# Allegro board pc053a_toplevel_32.brd (continued)
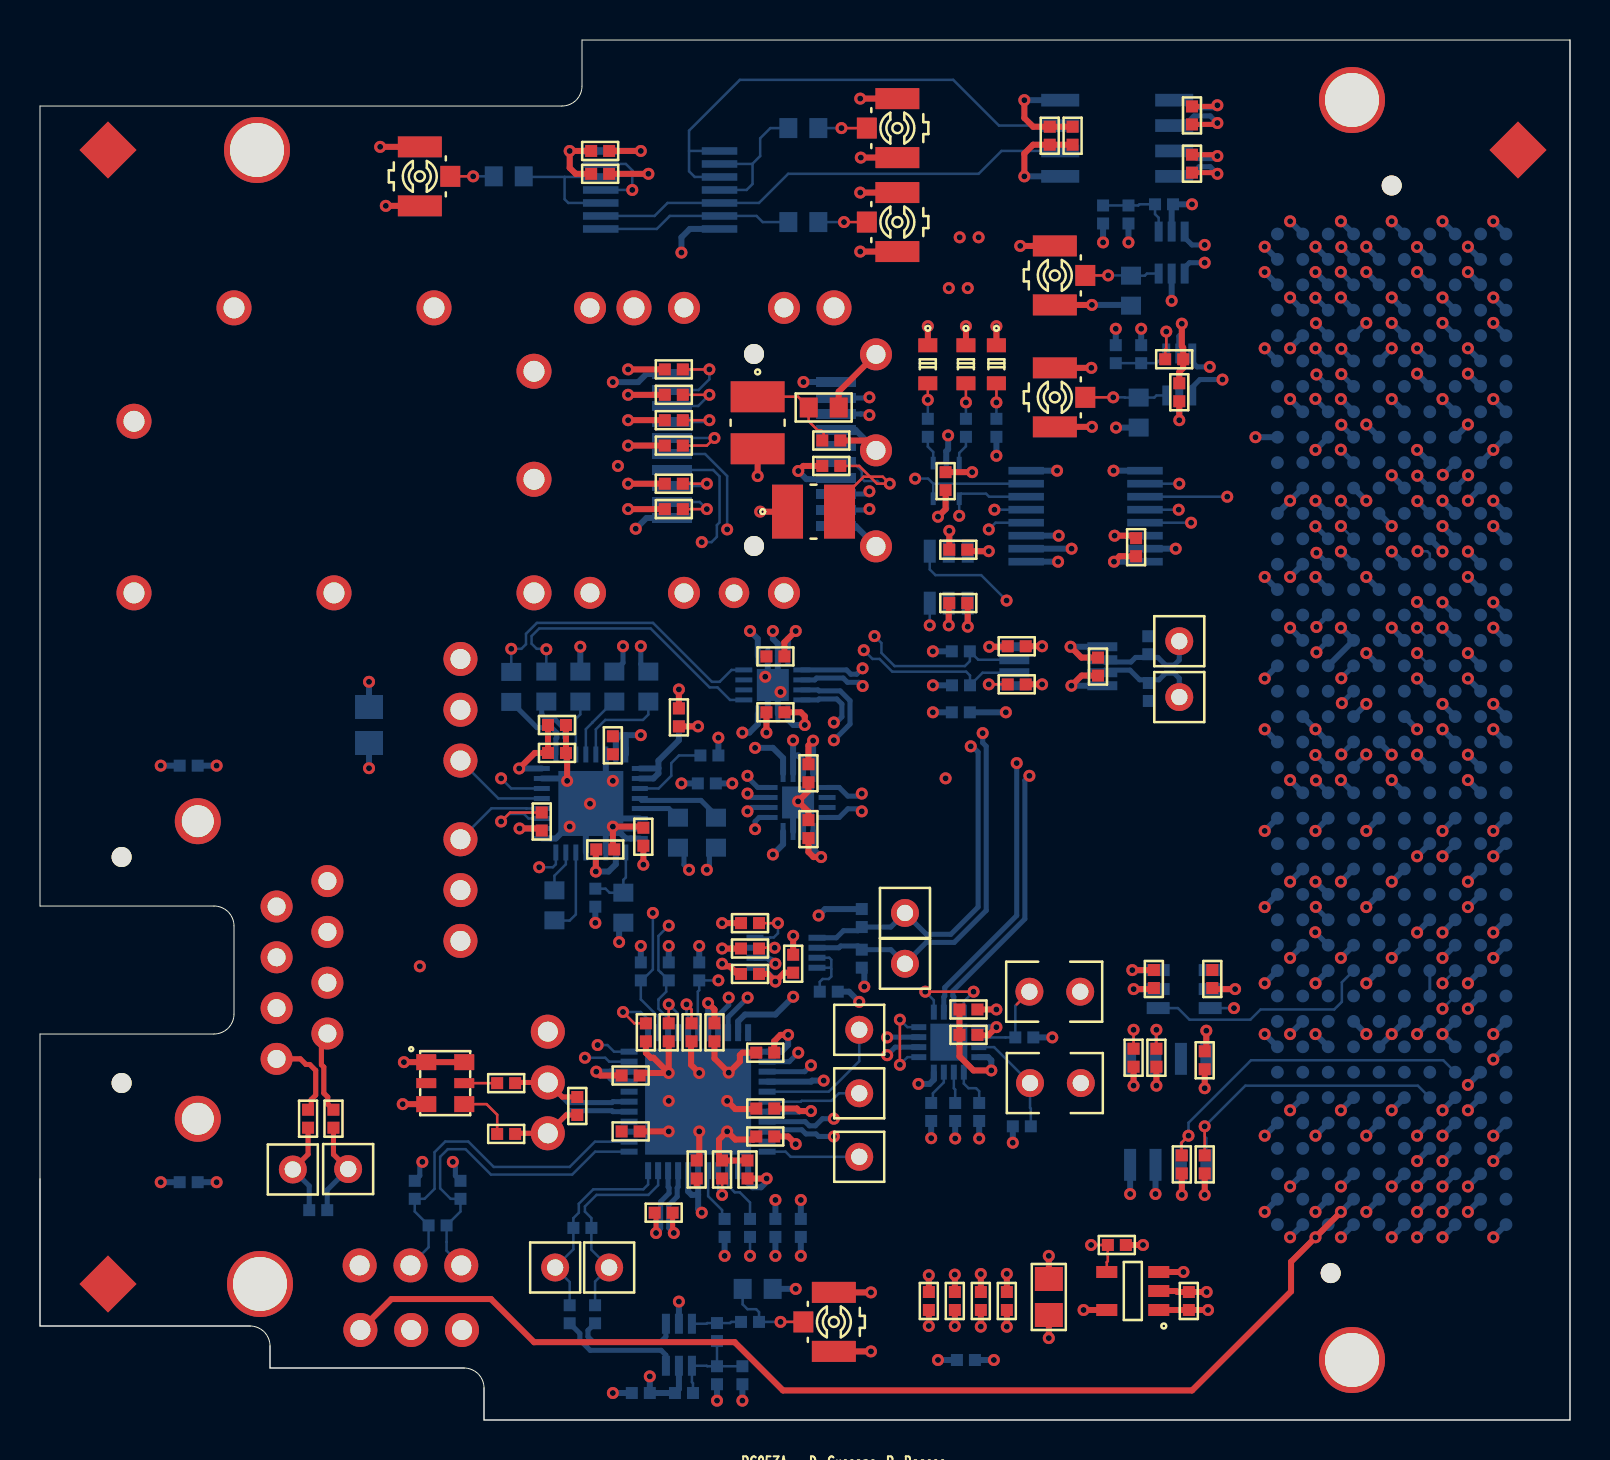
[diagram p0: board, top side]
## Routing (per net, layer and track width the routed paths; a pad name or vN(x,y) marks a point on that pad's centre or on a via; arc(x,y) is an arc through that point) (continued)
P1V8: length 20.6
  TOP w0.3: R40.1 v1(34.1,24.84) ; C12.2 v1(50.44,4.1) ; C14.2 v1(47.04,4.67) ; C117.2 v1(37.66,24.21) ; R41.1 v1(34.1,23.57) ; REG1.5 v1(52.18,5.5) ; C20.2 v1(44.44,4.7) ; C19.2 v1(45.74,4.7) ; C13.2 v1(48.34,4.66)
  BOTTOM w0.3: R14.2 v1(31.44,23.7) ; R13.2 v1(34.23,8.21) ; 32.91,11.26 32.91,10.55 v1(33.09,10.37) ; 32.91,11.26 32.58,11.26 32.41,11.43 32.41,12.47 ; 32.91,11.26 32.91,12.47 ; R15.2 v1(30.04,23.7) ; v1(36.77,22.81) 36.57,23.01 36.48,23.01 36.38,23.11 IC1.2 ; IC4.21 34.91,19.93 35.25,20.27 36.77,20.27 v1(37.66,21.16) ; R16.2 v1(32.96,23.7)
P3V3: length 127.8
  TOP w0.3: v1(47.82,19.64) 47.41,19.23 46.89,19.23 C8.2 ; C66.2 46.39,40.82 v1(46.39,39.67) ; C7.2 v1(47.82,20.53) ; C34.2 v1(32.9,34.68) ; v1(27.79,27.42) 27.79,28.51 C36.2 ; C55.1 v1(36.33,12.07) ; C49.2 33.72,20.53 v1(33.41,20.84) ; C70.2 38.42,33.73 v1(38.65,33.97) ; C31.2 28.01,17.22 v1(27.81,17.42) ; R57.2 24.98,29.58 v1(23.98,29.58) ; L1.2 v1(35.88,47.2) ; C57.2 C58.2 49.66,64.66 49.22,65.1 v1(49.22,65.99) ; C107.2 48.36,38.66 v1(47.46,38.66) ; C32.2 37.84,15.57 37.97,15.45 v1(38.55,15.45) ; REG1.3 v1(57.17,7.4) ; C72.2 38.04,35.38 38.24,35.19 v1(38.24,34.75) ; C71.2 37.22,38.88 v1(37.79,39.45) ; R24.2 v1(29.4,49.99) ; R28.1 v1(29.4,46.81) ; C45.2 37.41,14.18 v1(37.79,13.79) ; v1(57.09,54.82) 57.09,53.68 57.16,53.62 R37.2 57.16,52.6 56.96,52.4 C56.1 ; L2.1 v1(36.01,45.42) ; C15.2 v1(46.61,47.39) ; v1(37.41,19.26) 37.02,19.26 36.71,18.94 C46.2 ; R23.1 v1(29.4,51.26) ; REG1.1 C9.2 v1(58.4,5.5) ; C29.2 v1(30.17,27.77) ; v1(39.06,28.15) 38.68,28.15 38.42,28.4 C69.2 ; C48.2 32.83,11.73 ; QZ1.6 QZ1.1 v1(18.19,17.89) ; v1(23.96,32.58) 24.74,33.35 C37.2 C30.2 ; v1(30.04,63.45) C59.2 ; R25.2 v1(29.4,48.72) ; R29.1 v1(29.4,45.55) ; C60.2 v1(30.42,62.31) ; R22.1 v1(29.4,52.53)
  BOTTOM w0.3: v1(39.18,16.97) 38.61,16.97 38.55,16.92 IC4.26 ; IC12.24 v1(23.96,32.58) ; 30.92,32.59 30.92,32.97 31.94,33.99 C34.2 v1(32.9,34.68) ; 30.92,32.59 30.92,32.33 30.67,32.08 IC12.2 ; 30.92,32.59 30.91,32.58 IC12.1 ; IC9.14 v1(30.04,63.45) ; P1.D38 v1(68.85,11.68) ; IC17.5 35.89,39.06 v1(35.5,39.45) ; 35.41,12.47 35.41,11.86 35.63,11.64 36.05,11.64 36.33,11.92 v1(36.33,12.07) ; 29.28,34.24 29.02,34.24 28.79,34.01 IC12.31 ; 29.28,34.24 29.29,34.23 IC12.32 ; 29.28,34.24 v1(30.04,34.24) ; v1(57.6,60.78) R35.2 56.58,60.72 IC6.5 ; IC17.13 37.39,35.03 37.67,34.75 v1(38.24,34.75) ; IC4.8 28.7,16.92 28.52,17.1 28.52,17.42 ; R4.2 v1(45.76,14.08) ; v1(37.41,19.26) 37.41,18.75 37.07,18.42 IC4.23 ; 28.52,17.42 IC4.9 ; 28.52,17.42 v1(27.81,17.42) ; P1.D40 v1(68.85,9.13) ; P1.D36 v1(68.85,14.21) ; IC3.9 v1(47.82,19.64) ; v1(35.12,34.37) 35.47,34.37 35.89,34.79 IC17.16 ; C35.2 v1(16.45,32.59) ; C5.1 v1(44.9,3) ; IC8.8 v1(49.22,65.99) ; C6.1 v1(44.64,35.38) ; IC4.18 v1(33.41,20.84) ; IC15.8 v1(47.46,38.66) ; IC5.5 31.94,1.54 R32.2 C54.1 v1(30.49,2.18) ; IC13.13 37.15,33.1 36.64,33.61 v1(35.75,33.61) ; IC17.8 37.39,39.05 v1(37.79,39.45) ; C4.1 v1(8.83,32.72) ; R411.1 v1(44.64,38.43) ; C47.2 v1(38.04,11) ; v1(38.55,15.45) 37.97,15.45 37.94,15.42 IC4.29 ; P1.C39 v1(70.12,10.41) ; IC13.8 37.15,28.78 v1(36.64,28.27) ; v1(39.06,28.15) 38.65,28.55 IC13.5 ; IC12.12 v1(27.79,27.42) 28.43,27.42 28.79,27.79 IC12.10 ; C3.1 v1(8.83,11.89) ; C40.2 v1(32.07,31.83) ; IC13.16 v1(38.65,33.97) ; IC7.5 56.96,54.18 57.09,54.31 v1(57.09,54.82) ; IC12.18 v1(23.98,29.58) ; IC14.1 v1(46.39,39.67) ; R140.1 v1(44.64,36.73) ; IC10.1 v1(50.9,42.91) ; C10.2 v1(36.77,11) ; R56.2 v1(47.82,48.21)
P12V: length 5
  INNER4 w0.3: v1(70.12,12.95) 70.93,13.75 70.93,14.68 v1(70.12,15.48)
  BOTTOM w0.3: P1.C37 v1(70.12,12.95) ; P1.C35 v1(70.12,15.48)
VCC: length 1.4
  BOTTOM w0.3: IC11.5 45.31,48.44 45.41,48.53 v1(45.41,49.23)
CDR_LOL: length 43.3
  INNER3 w0.127: v1(45.28,32.08) 40.22,27.02 28.91,27.02 28.64,26.75 25.85,26.75 v1(24.96,27.64)
  INNER4 w0.127: v1(45.28,32.08) 45.28,34.75 46.42,35.89 46.42,38.69 47.25,39.51 47.25,41.04 45.96,42.32 v1(45.96,45.21)
  BOTTOM w0.127: v1(45.96,45.21) IC11.1 45.96,46.23 46.05,46.32 47.3,46.32 47.45,46.16 IC10.6 ; IC12.16 25.79,27.79 25.64,27.64 v1(24.96,27.64)
CDR_LOS: length 42.4
  INNER3 w0.127: v1(28.9,47.7) 34.99,47.7 35.75,48.47 40.2,48.47 41.22,47.45 43.37,47.45 v1(43.76,47.07)
  INNER4 w0.127: v1(28.9,47.7) 27.25,46.05 27.25,44.53 26.1,43.39 26.1,36.53 23.05,33.48 v1(23.05,32.08)
  BOTTOM w0.127: 44.66,46.81 IC10.7 ; 44.66,46.81 IC11.3 ; 44.66,46.81 44.41,47.07 v1(43.76,47.07) ; v1(23.05,32.08) 23.56,31.58 IC12.22
CLK_RST: length 33.4
  INNER3 w0.127: v1(59.7,20.59) 56.21,24.08 39.69,24.08 37.02,21.41 36.26,21.41 35.7,21.98 v1(33.92,21.98)
  BOTTOM w0.127: IC16.3 v1(59.7,20.59) ; IC4.17 32.91,20.02 32.89,20.03 32.89,21.42 32.96,21.49 R16.1 v1(33.92,21.98)
CLK_SCL: length 13.7
  TOP w0.127: v1(36.73,23.61) 35.99,23.61 R41.2
  INNER3 w0.127: v1(36.73,23.61) 36.26,24.08 33.49,24.08 32.86,24.72 v1(31.44,24.72)
  BOTTOM w0.127: v1(31.44,24.72) 30.92,24.2 30.92,22.49 31.05,22.37 31.05,22.37 R14.1 31.31,21.85 31.31,21.41 30.93,21.03 30.93,21 30.92,20.99 30.92,20.57 31.41,20.08 IC4.14 ; IC1.3 v1(36.73,23.61)
CLK_SDA: length 16.2
  TOP w0.127: R40.2 v1(36.9,24.84)
  INNER3 w0.127: v1(30.64,25.35) 31.69,25.35 32.07,24.97 32.96,24.97 33.6,24.34 36.39,24.34 v1(36.9,24.84)
  BOTTOM w0.127: v1(36.9,24.84) 36.9,24.34 36.69,24.13 36.52,24.13 36.5,24.11 IC1.4 ; IC4.13 30.91,20.17 30.04,21.03 R15.1 30.1,21.98 30.64,22.53 v1(30.64,25.35)
CTRLVCC: length 0.9
  BOTTOM w0.3: P1.D32 v1(68.85,19.3)
CVCC: length 85.4
  TOP w0.3: v1(51.53,38.66) 52.07,38.12 C16.2 ; C17.2 34.87,22.3 34.48,22.68 34.23,22.68 v1(34.1,22.81) ; v1(54.61,22.5) 55.69,22.5 C67.2 ; C68.2 46.44,43.44 v1(47.44,43.44) ; C61.2 53.97,43.19 v1(53.7,42.91) ; v1(58.32,19.46) 58.32,18.52 C18.2 ; R103.2 v1(55.82,16.72) ; R1328.2 v1(58.23,11.26) ; R42.2 v1(50.11,36.78) ; v1(65.04,10.41) v1(63.77,9.13) 62.55,7.91 62.55,6.43 57.6,1.48 37.15,1.48 34.74,3.89 24.71,3.89 22.55,6.05 17.57,6.05 J8.3 ; R39.2 v1(54.68,16.72) ; R138.2 v1(57.09,11.26)
  BOTTOM w0.3: R43.2 41.22,22.49 v1(41.22,21.67) ; P1.H40 v1(63.77,9.13) ; R1.2 40.45,21.41 v1(40.96,20.91) ; IC2.8 v1(58.32,19.46) ; IC10.2 v1(51.58,43.56) ; P1.G39 v1(65.04,10.41) ; v1(38.93,25.23) 39.25,25.55 R242.2 ; IC10.16 v1(53.7,42.91) ; IC16.6 v1(54.61,22.5) ; 49.31,44.22 v1(50.93,44.22) ; IC14.6 v1(47.44,43.44) ; IC15.1 v1(51.53,38.66)
F_CDR_CLK_N: length 4
  BOTTOM w0.254: R55.1 24.85,34.62 25.58,34.62 25.84,34.36 25.84,34.11 25.79,34.06 IC12.25
F_CDR_CLK_P: length 3.5
  BOTTOM w0.254: IC12.26 26.29,34.06 26.24,34.11 26.24,34.53 25.75,35.02 25.34,35.02 25.09,35.28 25.09,35.69 R54.1
F_CDR_D_N: length 1.4
  BOTTOM w0.254: v1(29.15,38.69) 29.15,37.86 R53.2
F_CDR_D_P: length 1.4
  BOTTOM w0.254: v1(30.04,38.69) 30.04,37.8 R52.2
F_FMC_CLK_N: length 88.6
  TOP w0.254: v1(30.8,9.35) 30.8,10.3 R18.1
  INNER3 w0.127: v1(46.39,56.59) 46.04,56.94 46.04,57.07 46.84,57.86 55.72,57.86 61.94,51.64 64.41,51.64 v1(65.07,52.29)
  INNER4 w0.127: 31.17,10.86 31.26,10.95 31.26,13.21 32.07,14.03 32.07,18.09 34.25,20.27 37.66,20.27 38.17,20.78 38.17,29.27 39.44,30.54 39.44,32.32 40.71,33.59 40.71,35.03 38.55,37.18 38.55,46.92 38.55,49.75 38.68,49.88 38.68,52.51 43.62,57.45 45.77,57.45 46.04,57.17 46.04,56.94 v1(46.39,56.59)
  INNER4 w0.254: v1(30.8,9.35) 30.8,9.81 31.04,10.06 31.04,10.73 31.17,10.86
  BOTTOM w0.254: P1.G7 v1(65.07,52.29) ; 31.41,12.47 31.41,11.66 31.45,11.61 31.45,11.34 31.03,10.92 31.03,9.58 v1(30.8,9.35)
F_FMC_CLK_P: length 87.7
  TOP w0.254: R18.2 31.63,9.41 v1(31.69,9.35)
  INNER3 w0.127: v1(65.07,53.56) 64.41,52.91 61.03,52.91 55.82,58.12 46.73,58.12 45.79,57.17 45.79,56.94 v1(45.44,56.59)
  INNER4 w0.127: 31.46,10.57 31.51,10.63 31.51,13.11 32.33,13.92 32.33,17.99 34.36,20.02 37.77,20.02 38.42,20.67 38.42,29.16 39.69,30.43 39.69,32.21 40.96,33.48 40.96,35.13 38.8,37.29 38.8,47.03 38.8,49.65 38.93,49.78 38.93,52.4 43.72,57.19 45.66,57.19 45.79,57.07 45.79,56.94 v1(45.44,56.59)
  INNER4 w0.254: v1(31.69,9.35) 31.69,9.81 31.45,10.06 31.45,10.56 31.46,10.57
  BOTTOM w0.254: 31.91,12.47 31.91,11.66 31.86,11.61 31.86,11.17 31.44,10.75 31.44,9.6 v1(31.69,9.35) ; P1.G6 v1(65.07,53.56)
F_GPIO_OUT0_N: length 21.9
  TOP w0.254: v1(58.87,62.31) 58.81,62.37 R45.1
  INNER4 w0.127: v1(58.87,62.31) 59.38,61.8 59.38,52.68 62.95,49.1 64.46,49.1 v1(65.04,48.52)
  BOTTOM w0.254: v1(65.04,48.52) 65.04,48.51 P1.G10 ; v1(58.87,62.31) 58.51,62.66 57.95,62.66 57.47,62.18 IC8.4
F_GPIO_OUT0_P: length 22.3
  TOP w0.254: v1(58.87,63.2) 58.8,63.27 R45.2
  INNER4 w0.127: v1(65.07,49.76) 64.66,49.35 63.06,49.35 59.63,52.78 59.63,61.91 59.38,62.16 59.38,62.69 v1(58.87,63.2)
  BOTTOM w0.254: P1.G9 65.07,49.75 v1(65.07,49.76) ; IC8.3 57.47,63.45 57.85,63.07 58.74,63.07 v1(58.87,63.2)
F_GPIO_OUT1_N: length 22.5
  TOP w0.254: R46.1 58.81,65.68 v1(58.87,65.74)
  INNER4 w0.127: v1(63.77,51.06) 63.19,51.64 61.79,51.64 60.14,53.29 60.14,62.82 58.38,64.58 58.38,65.25 v1(58.87,65.74)
  BOTTOM w0.254: v1(58.87,65.74) 58.74,65.61 57.73,65.61 57.34,65.99 IC8.1 ; P1.H8 63.77,51.05 v1(63.77,51.06)
F_GPIO_OUT1_P: length 20.9
  TOP w0.254: R46.2 58.8,64.78 v1(58.87,64.85)
  INNER4 w0.127: v1(58.87,64.85) 59.88,63.83 59.88,63.43 60.39,62.92 60.39,53.4 61.9,51.9 63.44,51.9 v1(63.82,52.28)
  BOTTOM w0.254: IC8.2 57.22,64.72 57.7,65.2 58.51,65.2 v1(58.87,64.85) ; P1.H7 63.82,52.27 v1(63.82,52.28)
F_MCX_CLK_N: length 6.2
  BOTTOM w0.254: C26.1 26.99,4.33 26.99,4 27.51,3.48 31.06,3.48 31.29,3.24 IC5.6
F_MCX_CLK_P: length 5.6
  BOTTOM w0.254: C23.1 27.4,4.48 27.4,4.17 27.68,3.89 31.02,3.89 31.29,4.17 IC5.1
F_RJ45_CLK_N: length 4.2
  TOP w0.254: J1.2 14.07,19.03 14.07,17.77 14.19,17.65 14.19,16.34 14.39,16.15 14.39,15.79 14.67,15.52 14.67,15.52
F_RJ45_CLK_P: length 4.3
  TOP w0.254: 13.4,15.52 13.56,15.67 13.56,16.02 13.78,16.24 13.78,17.48 13.49,17.78 13.3,17.78 13.02,18.05 J1.1
F_RJ45_D_N: length 66
  INNER3 w0.127: J1.5 10.61,24.36 10.61,27.13 12.39,28.91 17.74,28.91 18.99,27.66 22.78,27.66 23.43,27.01 24.2,26.24 28.43,26.24 28.85,26.24 29.13,26.51 41.36,26.51 48.18,33.34 58.6,33.34 61.54,36.27 64.5,36.27 64.93,35.84 v1(65.09,35.84)
  BOTTOM w0.254: P1.G19 65.08,35.84 v1(65.09,35.84)
F_RJ45_D_P: length 70.6
  INNER3 w0.127: J1.4 13.05,21.86 12.77,22.14 11.28,22.14 10.74,22.68 10.74,23.68 10.35,24.06 10.35,27.24 12.28,29.16 17.85,29.16 19.1,27.91 22.89,27.91 24.3,26.5 28.54,26.5 28.54,26.49 28.75,26.49 29.02,26.77 41.26,26.77 48.08,33.59 58.49,33.59 61.43,36.53 64.51,36.53 v1(65.07,37.09)
  BOTTOM w0.254: v1(65.07,37.09) 65.06,37.09 P1.G18
F_SFP_N: length 28.5
  INNER4 w0.127: v1(41.47,51.13) 40.99,50.65 40.88,50.65 39.56,49.33 39.56,47.34 39.69,47.22 39.69,41.25 40.22,40.72 41.87,40.72 42.49,40.11 42.49,34.22 40.45,32.19 40.45,31.6 40.6,31.45 40.6,30.92 v1(41.09,30.43)
  BOTTOM w0.254: IC13.4 39.96,30.13 40.39,30.56 40.96,30.56 v1(41.09,30.43) ; v1(41.47,51.13) 41.44,51.1 J4.12
F_SFP_P: length 26.8
  INNER4 w0.127: v1(41.09,31.32) 40.71,31.7 40.71,32.08 42.74,34.11 42.74,40.21 41.98,40.97 40.33,40.97 39.95,41.35 39.95,47.32 39.82,47.45 39.82,49.23 40.83,50.24 40.96,50.24
  INNER4 w0.254: 40.96,50.24 v1(41.47,50.24)
  BOTTOM w0.254: J4.13 41.04,50.3 41.41,50.3 v1(41.47,50.24) ; IC13.1 39.96,31.63 40.39,31.19 40.96,31.19 v1(41.09,31.32)
FMC_DI_N: length 0.9
  BOTTOM w0.254: P1.H23 63.8,31.97 v1(63.8,31.98)
FMC_DI_P: length 0.9
  BOTTOM w0.254: v1(63.77,33.25) 63.79,33.25 P1.H22
FMC_GA0: length 18.3
  TOP w0.127: R138.1 57.08,13.24 57.08,13.87 v1(57.42,14.21)
  BOTTOM w0.127: IC2.2 57.05,13.84 v1(57.42,14.21) 57.42,14.86 60.55,17.99 70.16,17.99 P1.C34
FMC_GA1: length 15.8
  TOP w0.127: R1328.1 v1(58.23,14.68)
  BOTTOM w0.127: IC2.1 58.32,14.09 58.23,14.18 v1(58.23,14.68) 60.27,16.72 68.89,16.72 P1.D35
FMC_LA07_N: length 19
  INNER4 w0.127: v1(63.82,43.36) 63.26,43.92 61.61,43.92 59.76,42.07 59.76,39.04 58.13,37.42 57.09,37.42 56.96,37.29 TP2.1
  BOTTOM w0.254: P1.H14 63.84,43.36 v1(63.82,43.36) ; TP2.1 56.96,37.09 56.71,37.34 56.28,37.34 55.95,37.01 55.6,37.01 R142.1 55.28,37.01 54.98,37.01 54.5,37.49 53.25,37.49 IC15.3
FMC_LA07_P: length 18.9
  INNER4 w0.127: v1(63.77,44.68) 63.26,44.17 61.51,44.17 59.5,42.17 59.5,39.15 58.03,37.67 57.09,37.67 56.96,37.8 TP4.1
  BOTTOM w0.254: TP4.1 56.96,38 56.71,37.75 56.28,37.75 55.9,38.13 55.57,38.13 R143.1 55.25,38.13 54.78,38.13 54.55,37.9 53.23,37.9 53.11,38.01 ; P1.H13 63.79,44.68 v1(63.77,44.68)
FMC_LA11_N: length 38.3
  INNER3 w0.127: v1(46.54,33.68) 46.71,33.85 47.34,33.85 47.73,34.24 57.32,34.24 61.89,38.81 62.5,38.81 63.48,38.81 63.82,38.47 v1(63.82,38.38)
  BOTTOM w0.254: v1(46.54,33.68) 46.62,33.68 46.91,33.4 46.91,25.65 45.54,24.29 44.31,24.29 TP1.1 42.54,24.65 R242.1 40.9,24.46 40.17,24.46 39.82,24.11 38.85,24.11 ; v1(63.82,38.38) 64.41,38.97 P1.H17
FMC_LA11_P: length 38.7
  INNER3 w0.127: v1(47.13,34.34) 47.47,34.34 47.62,34.5 57.21,34.5 61.79,39.07 62.61,39.07 63.35,39.07 63.82,39.54 v1(63.82,39.65)
  BOTTOM w0.254: v1(63.82,39.65) 63.82,39.66 P1.H16 ; v1(47.13,34.34) 47.13,33.86 47.31,33.68 47.31,25.48 45.71,23.88 44.31,23.88 TP3.1 42.54,23.52 R43.1 40.9,23.7 40.03,23.7 39.95,23.61 38.85,23.61
FMC_SCL: length 59
  TOP w0.127: v1(55.82,19.51) 55.82,18.56
  INNER3 w0.127: v1(70.12,21.84) 69.58,21.29 61.56,21.29 58.76,18.49 56.1,18.49 55.82,18.77 v1(55.82,19.51) 55.31,20.02 52.79,20.02 51.02,18.24 44.29,18.24 43.02,16.97 42.1,16.97 41.47,17.61 39.95,17.61 37.66,19.89 30.93,19.89 28.26,22.56 22.42,22.56 J5.3
  BOTTOM w0.127: P1.C30 v1(70.12,21.84) ; v1(55.82,19.51) 55.78,19.46 IC2.6
FMC_SDA: length 77.6
  TOP w0.127: 54.68,18.56 v1(54.68,19.51)
  INNER3 w0.127: v1(70.12,20.57) 69.66,21.03 61.66,21.03 58.87,18.24 55.95,18.24 v1(54.68,19.51) 54.19,19.51 53.93,19.76 52.9,19.76 51.12,17.99 44.39,17.99 41.72,15.32 40.33,15.32 39.56,16.08 38.42,16.08 35.25,19.26 29.53,19.26 26.86,21.92 19.75,21.92 v1(18.99,22.68)
  INNER4 w0.127: v1(18.99,22.68) 18.99,36.02 J6.3
  BOTTOM w0.127: IC2.5 54.68,18.23 v1(54.68,19.51) ; P1.C31 v1(70.12,20.57)
FPGA_CDR_LOL: length 11.1
  INNER3 w0.127: v1(59.36,46.16) 59.76,46.56 64.45,46.56 v1(65.04,45.97)
  BOTTOM w0.127: P1.G12 v1(65.04,45.97) ; IC10.11 v1(59.36,46.16)
FPGA_CDR_LOS: length 11.6
  INNER3 w0.127: v1(65.04,44.7) 64.45,45.29 59.12,45.29 57.6,46.81 v1(56.96,46.81)
  BOTTOM w0.127: P1.G13 v1(65.04,44.7) ; v1(56.96,46.81) IC10.10
FPGA_CLK_RST: length 11.6
  BOTTOM w0.127: P1.G30 65.09,21.88 65.09,20.91 64.71,20.53 61.03,20.53 60.52,20.02 57.47,20.02 56.89,20.59 IC16.4
FPGA_SFP_LOS: length 15.7
  INNER3 w0.127: v1(68.88,43.44) 68.28,44.03 59.33,44.03 57.85,45.52 v1(56.93,45.52)
  BOTTOM w0.127: IC10.12 v1(56.93,45.52) ; v1(68.88,43.44) 69.37,43.44 69.49,43.31 P1.D14
FPGA_SFP_TX_DIS: length 27.4
  INNER3 w0.127: v1(48.33,40.97) 67.5,40.97 v1(68.85,39.62)
  BOTTOM w0.127: IC14.4 44.49,42.53 44.77,42.24 47.06,42.24 v1(48.33,40.97) ; P1.D17 v1(68.85,39.62)
FPGA_SFP_TX_FLT: length 19.9
  INNER3 w0.127: v1(57.55,44.87) 59.55,42.87 64.34,42.87 65.73,41.48 69.28,41.48 69.54,41.23 69.54,39.03 v1(68.85,38.34)
  BOTTOM w0.127: P1.D18 v1(68.85,38.34) ; IC10.13 v1(57.55,44.87)
GPIO_IN0_N: length 22.7
  INNER3 w0.127: v1(58.23,58.75) 58.55,58.44 59.5,58.44 60.99,56.94 61.03,56.9 65.8,56.9 67.06,55.64 67.06,53.1 70.93,49.23 70.93,47.71 v1(71.41,47.24)
  BOTTOM w0.254: IC6.6 57.23,59.12 57.6,58.75 v1(58.23,58.75) ; P1.C11 71.41,47.25 v1(71.41,47.24)
GPIO_IN0_P: length 22.2
  INNER3 w0.127: v1(58.23,57.86) 58.55,58.18 59.4,58.18 60.81,56.76 60.93,56.65 65.69,56.65 66.81,55.54 66.81,53 70.68,49.12 70.68,47.77 70.17,47.26 v1(70.14,47.26)
  BOTTOM w0.254: P1.C10 70.14,47.25 v1(70.14,47.26) ; IC6.1 57.23,57.62 57.47,57.86 v1(58.23,57.86)
GPIO_IN1_N: length 17.2
  INNER3 w0.127: v1(58.49,52.66) 58.49,52.2 58.44,52.16 58.32,52.04 58.32,50.05 60.8,47.58 65.75,47.58 66.89,46.43 68.38,46.43 v1(68.87,45.94)
  BOTTOM w0.254: IC7.6 57.61,52.9 57.85,52.66 v1(58.49,52.66) ; v1(68.87,45.94) 68.88,45.94 P1.D12
GPIO_IN1_P: length 17.3
  INNER3 w0.127: v1(59.12,52.02) 58.67,52.02 58.58,51.93 58.58,50.15 60.9,47.83 65.85,47.83 67,46.69 68.34,46.69 v1(68.87,47.21)
  BOTTOM w0.254: v1(68.87,47.21) 68.89,47.2 P1.D11 ; IC7.1 57.61,51.64 57.99,52.02 v1(59.12,52.02)
IN_N: length 4.3
  BOTTOM w0.254: IC12.4 30.09,30.98 33.05,30.98 33.8,30.23 C44.2
IN_P: length 2.1
  BOTTOM w0.254: IC12.5 29.99,30.57 31.44,30.57 C43.2
IN_SEL1: length 2.1
  TOP w0.127: R19.2 v1(34.1,11.26)
  BOTTOM w0.127: v1(34.1,11.26) 33.91,11.45 33.91,12.47
OSC_CLK_N: length 7.9
  TOP w0.254: R7.2 26.12,16.15 J2.2 23.79,16.88 C25.2
  BOTTOM w0.254: IC4.6 28.64,15.92 28.6,15.87 26.4,15.87 J2.2
OSC_CLK_P: length 8
  TOP w0.254: C21.2 23.79,14.34 J2.3 26.3,15.25 R7.1
  BOTTOM w0.254: IC4.5 28.64,15.42 28.6,15.46 26.52,15.46 J2.3
REC_CLK_N: length 41.1
  INNER4 w0.127: 19.63,14.17 19.65,14.19 19.73,14.19 19.96,14.42 20.01,14.46 20.01,19.36 26.61,25.97 26.61,28.91 30.67,32.97 39.08,32.97 39.95,33.84 39.95,34.07 39.93,34.09 39.79,34.09 v1(39.69,33.99)
  INNER4 w0.254: v1(19.12,12.91) 19.27,13.06 19.27,13.81 19.63,14.17
  BOTTOM w0.254: IC17.11 38.9,36.5 38.95,36.46 40.01,36.46 40.5,35.96 40.5,34.8 v1(39.69,33.99) ; v1(19.12,12.91) 18.99,12.78 18.99,12.21 C27.1
REC_CLK_P: length 40.2
  INNER4 w0.127: 19.92,13.89 19.92,13.92 19.92,14.02 20.14,14.23 20.26,14.36 20.26,19.26 26.86,25.86 26.86,28.8 30.78,32.72 39.18,32.72 40.2,33.73 40.2,34.17 39.98,34.4 39.98,34.59 v1(39.69,34.88)
  INNER4 w0.254: 19.92,13.89 19.92,13.63 v1(20.64,12.91)
  BOTTOM w0.254: v1(20.64,12.91) 20.77,12.78 20.77,12.21 C24.1 ; IC17.12 38.9,36 38.95,36.05 39.84,36.05 40.09,35.8 40.09,35.16 39.82,34.88 v1(39.69,34.88)
S_CLK_IN: length 4.5
  TOP w0.127: PX1.1 v1(37.02,4.91)
  BOTTOM w0.127: v1(37.02,4.91) C50.1 35.95,5.4 35.81,5.54 35.37,5.54 35.13,5.78 R27.2
S_GPIO_IN0: length 3.7
  TOP w0.127: PX2.1 v1(53.41,57.23)
  BOTTOM w0.127: v1(53.41,57.23) 54.54,57.23 R30.2 55.24,57.22 55.35,57.32 IC6.3
S_GPIO_IN1: length 4.1
  TOP w0.127: PX3.1 v1(53.66,51.13)
  BOTTOM w0.127: v1(53.66,51.13) 54.23,51.13 54.24,51.12 R31.2 55.72,51.12 55.82,51.23 IC7.3
SFP_LOS: length 21.6
  TOP w0.127: 32.14,51.26 v1(33.47,51.26)
  INNER3 w0.127: v1(47.72,45.52) 47.23,45.52 43.14,49.61 37.28,49.61 35.63,51.26 v1(33.47,51.26)
  BOTTOM w0.127: v1(33.47,51.26) 32.91,50.7 J4.8 ; IC10.5 v1(47.72,45.52)
SFP_SCL: length 52.2
  INNER3 w0.127: v1(34.36,44.53) 34.01,44.18 34.01,43.84 35.23,42.62 38.29,42.62 v1(41.72,39.2)
  INNER4 w0.127: v1(34.36,44.53) 34.01,44.18 34.01,43.93 33.34,43.26 32.07,43.26 28.13,39.32 28.13,35.03 24.05,30.94 22.93,30.94 J5.1
  BOTTOM w0.127: v1(41.72,39.2) 42.07,38.85 42.07,38.35 42.73,37.7 46.25,37.7 46.49,37.94 R411.2 46.91,38.01 48.71,38.01 ; IC12.20 24.32,30.58 24.31,30.58 22.57,30.58 J5.1 ; v1(34.36,44.53) 34.36,47.2 33.25,48.3 J4.5
SFP_SDA: length 51.6
  INNER3 w0.127: v1(41.19,38.49) 41.19,38.98 41.23,39.03 41.23,39.33 38.19,42.37 35.12,42.37 33.6,43.89 v1(33.09,43.89)
  INNER4 w0.127: v1(33.09,43.89) 32.71,43.51 31.97,43.51 27.88,39.43 27.88,35.13 23.94,31.19 22.8,31.19 J6.1
  BOTTOM w0.127: J6.1 22.92,31.08 IC12.21 ; v1(41.19,38.49) 41.63,38.05 41.98,38.05 42.61,37.42 46.31,37.42 46.5,37.22 R140.2 47.13,37.36 IC15.6 ; v1(33.09,43.89) 33.58,43.89 33.84,44.16 33.84,44.74 33.98,44.88 33.98,47.18 33.66,47.5 J4.4
SFP_TX_DISABLE: length 20.7
  TOP w0.127: v1(33.34,46.81) 32.14,46.81
  INNER3 w0.127: v1(44.49,39.73) 42.84,39.73 37.9,44.67 35.49,44.67 34.87,45.29 33.98,45.29 33.6,44.91 32.71,44.91 32.45,45.16 32.45,45.93 v1(33.34,46.81)
  BOTTOM w0.127: v1(33.34,46.81) 33.23,46.7 J4.3 ; IC14.3 v1(44.49,39.73)
SFP_TX_FAULT: length 20.9
  TOP w0.127: 32.14,45.55 v1(33.34,45.55)
  INNER3 w0.127: v1(47.44,44.53) 46.04,45.93 43.63,45.93 42.74,45.04 39.31,45.04 38.17,46.18 33.98,46.18 v1(33.34,45.55)
  BOTTOM w0.127: v1(33.34,45.55) 32.99,45.9 J4.2 ; IC10.4 47.77,44.87 v1(47.44,44.53)
T_CDR_N: length 7.2
  INNER3 w0.127: v1(35.75,29.54) 35.5,29.8 33.98,29.8 32.96,28.78 32.96,27.89 v1(33.34,27.51)
  BOTTOM w0.254: v1(35.75,29.54) 35.75,29.92 35.96,30.13 IC13.9 ; v1(33.34,27.51) 33.47,27.64 33.47,28.29 C44.1
T_CDR_P: length 7.3
  INNER3 w0.127: v1(32.45,27.51) 32.71,27.77 32.71,28.89 33.87,30.05 34.99,30.05 v1(35.37,30.43)
  BOTTOM w0.254: C43.1 32.2,28.32 32.2,27.77 v1(32.45,27.51) ; IC13.10 35.57,30.63 v1(35.37,30.43)
T_FFD_CLK_N: length 12.8
  INNER3 w0.127: v1(42.36,18.24) 40.09,18.24 38.06,20.27 35.28,20.27 v1(34.44,21.12)
  BOTTOM w0.254: IC4.19 33.91,20.22 34.44,20.75 v1(34.44,21.12) ; IC3.2 42.76,18.64 v1(42.36,18.24)
T_FFD_CLK_P: length 12.3
  INNER3 w0.127: v1(35.38,21.12) 35.38,20.68 35.53,20.53 38.17,20.53 40.2,18.49 41.72,18.49 v1(42.36,19.13)
  BOTTOM w0.254: IC4.20 34.41,20.14 v1(35.38,21.12) ; v1(42.36,19.13) 42.55,19.13 42.56,19.14 IC3.3
T_FFD_D_N: length 33.5
  INNER3 w0.127: v1(66.31,33.28) 65.76,33.28 64.99,34.04 62.2,34.04 60.62,32.46 52.39,32.46 52.16,32.7 48.98,32.7 v1(48.84,32.84)
  BOTTOM w0.254: v1(48.84,32.84) 48.84,25.22 45.24,21.62 45.24,21.2 45.19,21.15 IC3.6 ; P1.G22 65.68,32.65 v1(66.31,33.28)
T_FFD_D_P: length 31.2
  INNER3 w0.127: v1(49.47,32.21) 49.71,32.45 52.05,32.45 52.29,32.21 60.73,32.21 62.31,33.79 64.89,33.79 65.07,33.61 v1(65.07,33.28)
  BOTTOM w0.254: v1(65.07,33.28) 65.07,33.29 P1.G21 ; IC3.7 45.69,21.15 45.64,21.2 45.64,21.46 49.24,25.05 49.24,31.98 v1(49.47,32.21)
T_FMC_CLK_N: length 73.9
  INNER4 w0.127: v1(63.8,54.84) 63.8,54.92 64.08,55.2 64.59,55.2 66.11,53.68 66.11,51.15 67,50.27 67,49.23 65.47,47.7 59.61,47.7 58.72,48.59 50.85,48.59 49.32,50.12 42.61,50.12 42.25,49.75 41.06,49.75 40.2,48.9 40.2,42.65 41.62,41.23 42.08,41.23 42.99,40.32 42.99,30.54 41.6,29.14 41.6,23.3 39.69,21.39 39.69,19.56 38.5,18.37 v1(37.91,18.37)
  BOTTOM w0.254: v1(63.8,54.84) 63.84,54.79 P1.H5 ; v1(37.91,18.37) 37.46,17.92 IC4.24
T_FMC_CLK_P: length 75.2
  INNER4 w0.127: v1(38.55,17.73) 38.55,17.79 38.68,17.92 38.68,18.18 39.95,19.45 39.95,21.29 41.85,23.19 41.85,29.04 43.25,30.43 43.25,40.42 42.19,41.48 41.72,41.48 40.45,42.75 40.45,48.79 41.16,49.5 42.35,49.5 42.72,49.86 49.22,49.86 50.74,48.34 58.61,48.34 59.5,47.45 65.58,47.45 67.25,49.12 67.25,50.37 66.36,51.26 66.36,53.78 64.52,55.62 64.28,55.62 v1(63.77,56.11)
  BOTTOM w0.254: P1.H4 63.79,56.11 v1(63.77,56.11) ; v1(38.55,17.73) 38.23,17.42 IC4.25
T_FMC_N: length 1.2
  BOTTOM w0.254: v1(35.37,31.32) 35.57,31.13 IC13.11
T_FMC_P: length 1.4
  BOTTOM w0.254: IC13.12 35.89,31.63 35.37,32.14 v1(35.37,32.21)
T_FMC_REC_CLK_N: length 54.2
  INNER3 w0.127: v1(46.93,59.13) 46.68,59.13 46.51,59.3 46.51,59.73 46.9,60.12 50.9,60.12 51.25,59.77 61.28,59.77 63.16,57.89 64.56,57.89 v1(65.04,57.41)
  INNER4 w0.127: v1(46.93,59.13) 46.55,58.75 46.55,58.24 47.18,57.61 47.18,53.82 45.13,51.77 41.09,51.77 39.69,50.37 39.69,49.82 39.31,49.44 39.31,47.45 39.31,47.24 39.44,47.11 39.44,41.14 39.69,40.89 39.69,37.8 40.2,37.29 40.83,37.29 v1(41.13,37.58)
  BOTTOM w0.254: IC17.9 40.33,37.5 40.54,37.29 40.83,37.29 v1(41.13,37.58) ; P1.G3 65.04,57.4 v1(65.04,57.41)
T_FMC_REC_CLK_P: length 54.8
  INNER3 w0.127: v1(45.99,59.13) 46.26,59.41 46.26,59.84 46.79,60.37 51.01,60.37 51.35,60.02 61.39,60.02 63.27,58.14 64.34,58.14 64.36,58.16 64.58,58.16 v1(65.07,58.65)
  INNER4 w0.127: v1(45.99,59.13) 46.3,58.82 46.3,58.14 46.93,57.5 46.93,53.93 45.03,52.02 40.98,52.02 39.44,50.48 39.44,49.92 39.06,49.54 39.06,47.56 39.06,47.13 39.18,47.01 39.18,41.04 39.44,40.78 39.44,37.69 40.09,37.04 40.8,37.04 v1(41.13,36.7)
  BOTTOM w0.254: P1.G2 65.28,58.43 65.27,58.45 v1(65.07,58.65) ; v1(41.13,36.7) 40.95,36.88 40.37,36.88 40.16,37.1 38.83,37.1 38.73,37 IC17.10
T_MCX_CLK: length 83.3
  INNER4 w0.127: v1(29.61,61.5) 29.61,58.34 31.06,56.9 31.06,50.75 34.99,46.81 34.99,44.36 33.6,42.96 33.6,39.45 27.37,33.23 27.37,31.83 25.72,30.18 25.72,25.99 19.37,19.64 19.37,15.32 18.23,14.18 18.23,11.76 18.99,11 27.37,11 29.79,8.59 32.33,8.59 32.83,9.1 34.61,9.1 v1(35.5,8.21)
  BOTTOM w0.127: R26.2 v1(35.5,8.21) ; IC9.11 v1(29.61,61.5) 29.61,62.48 29.29,62.8 IC9.13
T_RJ45_CLK_N: length 34.1
  INNER3 w0.127: J1.6 15.2,23.57 15.2,22.66 16.58,21.29 27.14,21.29 29.4,19.02 29.4,17.96 30.53,16.84 35.86,16.84 37.89,14.81 38.93,14.81 39.18,15.06 v1(39.69,15.06)
  BOTTOM w0.254: IC4.30 38.26,14.92 38.47,14.71 38.77,14.71 39.12,15.06 v1(39.69,15.06)
T_RJ45_CLK_P: length 35
  INNER3 w0.127: v1(39.69,14.18) 39.31,14.18 38.93,14.56 37.79,14.56 35.75,16.59 30.42,16.59 29.15,17.86 29.15,18.92 27.04,21.03 15.71,21.03 15.45,20.78 12.01,20.78 J1.3
  BOTTOM w0.254: IC4.31 37,14.42 37.09,14.51 38.09,14.51 38.3,14.3 38.8,14.3 38.93,14.18 v1(39.69,14.18)
T_RJ45_D_N: length 57.7
  INNER3 w0.127: J1.8 13.33,26.42 13.16,26.48 13.08,26.63 13.02,26.69 13.02,27.41 13.89,28.27 15.71,28.27 18.89,25.1 23.18,25.1 23.82,25.73 28.22,25.73 28.64,25.73 29.06,25.73 29.32,25.99 41.96,25.99 42.97,27 56.71,27 59,24.72 61.9,24.72 62.15,24.97 63.18,24.97 v1(63.76,24.39)
  BOTTOM w0.254: v1(63.76,24.39) P1.H29
T_RJ45_D_P: length 58.2
  INNER3 w0.127: J1.7 12.87,26.2 12.93,26.37 12.87,26.48 12.77,26.59 12.77,27.51 13.78,28.53 15.82,28.53 18.99,25.35 23.08,25.35 23.71,25.99 28.33,25.99 28.33,25.99 28.54,25.99 28.96,25.99 29.21,26.24 41.85,26.24 42.87,27.26 56.82,27.26 59.1,24.97 61.79,24.97 62.04,25.23 63.31,25.23 63.75,25.66 v1(63.79,25.66)
  BOTTOM w0.254: P1.H28 63.79,25.63 v1(63.79,25.66)
T_SFP_N: length 35.9
  INNER4 w0.127: C2.1 52.01,16.85 52.01,18.83 51.95,18.83 50.61,20.17 50.61,24.97 43.5,32.08 43.5,45.06 42.75,45.81 41.73,45.81 v1(41.47,45.55)
  BOTTOM w0.254: v1(41.47,45.55) 41.42,45.5 J4.19
T_SFP_P: length 36.3
  INNER4 w0.127: v1(41.47,46.43) 41.84,46.06 42.86,46.06 43.76,45.16 43.76,32.19 50.87,25.08 50.87,20.27 52.01,19.13 C1.1
  BOTTOM w0.254: v1(41.47,46.43) 41.34,46.3 J4.18
UNNAMED_2_CON400P40ABCDEFGHJK_I: length 1.3
  BOTTOM w0.15: P1.D30 P1.D31
UNNAMED_2_PCA9306_I276_EN: length 3.5
  BOTTOM w0.127: 39.56,22.56 39.56,23.01 39.46,23.11 38.85,23.11 ; 39.56,22.56 39.56,22.18 39.44,22.05 39.13,22.05 38.99,21.91 R1.1 ; 39.56,22.56 39.51,22.61 38.85,22.61
UNNAMED_2_PCA9517_I162_EN: length 2.3
  TOP w0.127: R42.1 v1(47.44,36.78)
  BOTTOM w0.127: IC15.5 48.65,36.78 v1(47.44,36.78)
UNNAMED_3_CAPACITOR_I303_B: length 5.5
  BOTTOM w0.127: IC3.11 47.7,18.64 C2.2 49.5,15.61 49.54,15.57 R6.2
UNNAMED_3_CAPACITOR_I304_B: length 5.3
  TOP w0.127: C1.2 48.84,20.78
  BOTTOM w0.127: C1.2 48.77,20.71 R5.2 48.28,19.13 48.27,19.13 47.52,19.13 47.51,19.14 IC3.10
UNNAMED_3_NBSG53A_I298_OLS: length 2.1
  BOTTOM w0.127: R3.1 46.96,16.43 46.8,16.59 46.42,16.59 46.19,16.82 IC3.13
UNNAMED_3_NBSG53A_I298_R: length 1.8
  BOTTOM w0.127: IC3.15 45.19,16.88 44.64,16.34 44.64,15.94 R2.2
UNNAMED_3_NBSG53A_I298_SEL: length 1.6
  BOTTOM w0.127: R4.1 45.76,16.52 45.69,16.59 IC3.14
UNNAMED_3_NBSG53A_I298_VTCLK: length 4.5
  TOP w0.127: v1(42.99,17.76) v1(42.99,20.02)
  BOTTOM w0.127: v1(42.99,20.02) 43.37,19.64 IC3.4 ; IC3.1 43.38,18.14 v1(42.99,17.76)
UNNAMED_3_NBSG53A_I298_VTD: length 4.8
  TOP w0.127: v1(44.26,21.41) v1(46.68,21.41)
  BOTTOM w0.127: IC3.5 44.69,20.99 v1(44.26,21.41) ; v1(46.68,21.41) 46.19,20.93 IC3.8
UNNAMED_4_CAPCERSMDCL2_I90_B: length 2.2
  TOP w0.127: v1(52.55,8.75) C11.2 53.39,7.94 53.34,7.89 REG1.4
UNNAMED_4_CAPCERSMDCL2_I113_B: length 10.6
  BOTTOM w0.127: C23.2 27.75,6.92 TP7.1 27.57,8.51 R9.1 27.57,10.09 27.25,10.42 27.25,10.68 27.82,11.26 30.42,11.26 30.91,11.74 30.91,12.47
UNNAMED_4_CAPCERSMDCL2_I114_B: length 10.4
  BOTTOM w0.127: 30.41,12.47 30.41,11.77 30.17,11.53 27.66,11.53 26.94,10.81 26.94,10.37 26.67,10.09 R9.2 26.67,8.54 TP8.1 26.48,6.9 C26.2
UNNAMED_4_CAPCERSMDCL2_I115_B: length 17.3
  BOTTOM w0.127: J3.3 20.33,8.47 20.33,8.9 20.33,8.9 R11.2 21.02,10.42 21.02,11.06 20.53,11.06 20.01,11.58 20.01,13.16 20.39,13.54 21.28,13.54 22.55,12.27 26.61,12.27 27.76,13.42 IC4.1
UNNAMED_4_CAPCERSMDCL2_I116_B: length 18
  BOTTOM w0.127: IC4.2 27.75,13.92 26.48,12.65 22.69,12.65 21.42,13.92 20.26,13.92 19.73,13.39 19.73,11.56 19.23,11.06 18.74,11.06 18.74,10.42 R11.1 19.43,8.64 J3.2
UNNAMED_4_CAPCERSMDCL2_I117_B: length 26.9
  TOP w0.254: C22.2 13.4,13.29 TP5.1
  INNER3 w0.127: TP5.1 13.78,11.38 13.78,10.75 14.16,10.37 16.58,10.37 17.72,11.51 17.72,12.8 23.03,18.11 v1(27.25,18.11)
  BOTTOM w0.127: IC4.10 28.46,17.92 28.26,18.11 v1(27.25,18.11)
  BOTTOM w0.254: TP5.1 13.46,11.71 R8.1
UNNAMED_4_CAPCERSMDCL2_I118_B: length 26.7
  TOP w0.254: TP6.1 14.67,13.28 C28.2
  INNER3 w0.127: v1(27.88,18.75) 27.11,18.75 26.74,18.38 24.01,18.38 24,18.37 22.93,18.37 17.47,12.91 17.47,12.85 17.43,12.82 17.43,11.6 16.45,10.62 14.42,10.62 14.16,10.87 14.16,11.3 TP6.1
  BOTTOM w0.127: IC4.11 28.7,18.42 28.37,18.75 v1(27.88,18.75)
  BOTTOM w0.254: R8.2 14.36,11.5 TP6.1
UNNAMED_4_CAPCERSMDCL2_I119_A: length 2.8
  TOP w0.127: C21.1 22.86,15.26 22.33,15.79 QZ1.4
UNNAMED_4_CAPCERSMDCL2_I120_A: length 1.6
  TOP w0.127: C25.1 QZ1.5
UNNAMED_4_RSMD0402_I16_A: length 3.5
  TOP w0.127: v1(29.15,20.4) 29.72,19.83 R10.1
  BOTTOM w0.127: v1(29.15,20.4) 30.04,20.4 30.41,20.03 IC4.12
UNNAMED_4_RSMD0402_I47_A: length 2.8
  BOTTOM w0.127: R13.1 34.1,10.18 34.1,10.49 33.41,11.19 33.41,12.47
UNNAMED_4_RSMD0402_I49_A: length 2.6
  TOP w0.127: v1(31.44,20.78) R20.1
  BOTTOM w0.127: v1(31.44,20.78) 31.91,20.31 IC4.15
UNNAMED_4_RSMD0402_I50_A: length 2.5
  TOP w0.127: R21.1 32.58,20.53 v1(32.33,20.78)
  BOTTOM w0.127: IC4.16 32.41,20.21 32.33,20.29 v1(32.33,20.78)
UNNAMED_4_RSMD0402_I123_A: length 3
  BOTTOM w0.127: 34.41,12.47 34.41,11.71 34.74,11.38 34.99,11.38 35.5,10.87 R26.1
UNNAMED_4_SI5344_I110_INTR: length 4.7
  BOTTOM w0.127: IC4.33 37.28,13.42 37.53,13.16 TP9.1
UNNAMED_4_SI5344_I110_LOL: length 6.8
  BOTTOM w0.127: TP10.1 40.96,17.94 39.44,16.42 IC4.27
UNNAMED_4_SI5344_I110_LOSXAXB: length 4.8
  BOTTOM w0.127: TP11.1 39.95,16.34 39.57,15.96 38.09,15.96 38.04,15.92 IC4.28
UNNAMED_5_74LCX04_I304_Y: length 6.9
  BOTTOM w0.127: R47.1 24.22,62.15 26.23,62.15 ; 26.23,62.15 IC9.12 ; 26.23,62.15 26.23,61.04 26.42,60.85 IC9.10
UNNAMED_5_74LCX04_I317_A: length 25.8
  BOTTOM w0.127: 32.45,63.45 32.45,62.44 32.74,62.15 IC9.3 ; 32.45,63.45 32.45,64.47 34.99,67.01 45.66,67.01 47.95,64.72 IC8.7 ; 32.45,63.45 IC9.1
UNNAMED_5_74LCX04_I317_Y: length 7.5
  BOTTOM w0.127: R49.1 36.52,64.59 36.01,64.09 36.01,63.2 35.61,62.8 ; IC9.4 35.33,61.5 35.63,61.8 35.63,62.79 35.61,62.8 ; 35.61,62.8 IC9.2
UNNAMED_5_74LCX04_I323_A: length 24.3
  BOTTOM w0.127: IC9.9 30.73,60.2 31.38,60.85 IC9.5 35.95,60.85 37.41,62.31 46.93,62.31 48.07,63.45 IC8.6
UNNAMED_5_74LCX04_I323_Y: length 9.8
  BOTTOM w0.127: R48.1 36.14,59.9 35.83,60.2 IC9.6 31.49,60.2 30.84,59.55 IC9.8
UNNAMED_5_ADCMP604_I256_: length 5.2
  BOTTOM w0.127: R33.2 C51.2 ; C51.2 R44.1 ; C51.2 33.36,2.69 33.34,2.71 IC5.4 32.59,1.89 32.65,1.84 R32.1
UNNAMED_5_ADCMP604_I256__1: length 2.5
  BOTTOM w0.127: C50.2 34.56,4.91 34.5,4.85 R44.2 33.36,4.85 33.32,4.81 IC5.3
UNNAMED_5_ADCMP604_I285_: length 4.1
  BOTTOM w0.127: IC6.4 55.93,60.11 55.75,60.29 R35.1 54.97,60.78 54.91,60.73 C52.2 R36.2
UNNAMED_5_ADCMP604_I294_: length 5.2
  TOP w0.127: v1(56.31,54.42) 56.31,53.58 56.26,53.53 R37.1
  BOTTOM w0.127: R38.2 C53.2 55.83,52.84 IC7.4 v1(56.31,54.42)
UNNAMED_5_PCOAX_I312_A: length 2.2
  TOP w0.127: PX4.1 v1(21.66,62.18)
  BOTTOM w0.127: R47.2 v1(21.66,62.18)
UNNAMED_5_PCOAX_I315_A: length 2.4
  TOP w0.127: v1(40.07,64.59) PX6.1
  BOTTOM w0.127: R49.2 v1(40.07,64.59)
UNNAMED_5_PCOAX_I321_A: length 2.4
  TOP w0.127: PX5.1 v1(40.2,59.9)
  BOTTOM w0.127: R48.2 v1(40.2,59.9)
UNNAMED_11_ADN2814_I23_CF1: length 2.1
  BOTTOM w0.127: C39.1 25.72,27.22 26.29,27.79 IC12.15
UNNAMED_11_ADN2814_I23_CF2: length 4.3
  BOTTOM w0.127: C39.2 25.73,24.97 26.48,24.97 26.79,25.28 IC12.14
UNNAMED_11_ADN2814_I23_DATAOUTN: length 3.3
  BOTTOM w0.127: IC12.28 27.29,34.54 27.63,34.88 27.63,34.88 28.67,35.92 R53.1
UNNAMED_11_ADN2814_I23_DATAOUTP: length 4.8
  BOTTOM w0.127: R52.1 30.42,35.27 30.15,35 28.26,35 27.79,34.53 IC12.29
UNNAMED_11_ADN2814_I23_SADDRS: length 4.5
  TOP w0.127: v1(23.05,29.92) 23.5,30.37 R57.1
  BOTTOM w0.127: IC12.19 24.43,30.08 24.2,30.3 23.44,30.3 v1(23.05,29.92)
UNNAMED_11_ADN2814_I23_SQUELCH: length 2.7
  BOTTOM w0.127: R12.1 27.02,35.28 26.79,35.06 IC12.27
UNNAMED_11_ADN2814_I23_THRADJ: length 3.5
  BOTTOM w0.127: IC12.9 29.29,27.13 29.17,27.01 R34.2 28.48,26.36 28.28,26.57 C42.2
UNNAMED_11_ADN2814_I23_VREF: length 4.1
  BOTTOM w0.127: C38.2 31.94,33.23 31.56,32.84 31.56,32.21 30.93,31.58 IC12.3
UNNAMED_11_CON20PSFP_I175_MODDE: length 3.9
  TOP w0.127: v1(33.72,49.1) 33.34,48.72 32.14,48.72
  BOTTOM w0.127: J4.6 v1(33.72,49.1)
UNNAMED_11_CON20PSFP_I175_RATES: length 3.2
  TOP w0.127: v1(33.47,49.99) 32.14,49.99
  BOTTOM w0.127: J4.7 33.38,49.9 v1(33.47,49.99)
UNNAMED_11_CON20PSFP_I175_VCCR: length 4.9
  TOP w0.127: L1.1 37.9,51.16 C64.2 38.43,49.93 38.89,49.48 39.06,49.48 39.18,49.35 39.18,49.04 C63.2
UNNAMED_11_CON20PSFP_I175_VCCT: length 9.9
  TOP w0.127: C62.2 40.96,47.7 41.85,46.81 v1(42.49,46.81) 42.14,47.16 41.18,47.16 39.98,45.96 L2.2
  BOTTOM w0.127: v1(42.49,46.81) 42,46.81 41.86,46.95 41.22,46.95 41.09,47.08 41.09,47.45 40.64,47.9 J4.16
UNNAMED_11_CON20PSFP_I175_VEER: length 3.9
  TOP w0.127: 32.14,52.53 v1(33.47,52.53)
  BOTTOM w0.127: v1(33.47,52.53) 33.47,52.04 32.93,51.5 J4.9
UNNAMED_11_LED1_I225_A: length 1.8
  TOP w0.127: v1(46.3,50.88) LD1.1
  BOTTOM w0.127: R50.1 v1(46.3,50.88)
UNNAMED_11_LED1_I226_A: length 1.8
  TOP w0.127: LD2.1 v1(44.39,51.01)
  BOTTOM w0.127: R51.1 v1(44.39,51.01)
UNNAMED_11_LED1_I227_A: length 1.8
  TOP w0.127: LD3.1 v1(47.82,50.88)
  BOTTOM w0.127: v1(47.82,50.88) R56.1
UNNAMED_11_RSMD0402_I232_B: length 1.5
  BOTTOM w0.127: R50.2 46.3,48.69 45.96,48.35 IC11.6
UNNAMED_11_RSMD0402_I233_B: length 1.4
  BOTTOM w0.127: R51.2 44.39,48.67 44.66,48.4 IC11.4
UNNAMED_11_RSMD0603_I241_B: length 14.6
  BOTTOM w0.127: IC17.1 34.5,36 33.87,36.63 33.48,36.63 30.53,39.58 24.96,39.58 24.58,39.2 24.58,38.81 24.83,38.56 25.29,38.56 v1(25.32,38.53) R54.2
UNNAMED_11_RSMD0603_I242_B: length 15.1
  BOTTOM w0.127: IC17.4 34.58,37.5 33.98,36.91 33.6,36.91 30.65,39.85 24.84,39.85 24.3,39.31 24.3,38.79 24.07,38.56 v1(23.56,38.56) R55.2

## Copper pours and planes (outline as drawn; the poured copper is in the pictures)
GND on L2GND: 22.84,0.64 22.84,1.6 22.36,2.76 21.2,3.24 12.14,3.24 12.14,3.7 11.66,4.86 10.5,5.34 0.64,5.34 0.64,65.06 26.1,65.06 27.26,65.54 27.74,66.7 27.74,68.36 75.86,68.36 75.86,0.64
P1V8 on L3PWR: 32.58,8.21 32.58,10.37 32.83,10.62 33.98,10.62 34.61,9.98 38.17,9.98 39.18,11 39.18,13.29 39.82,13.92 39.82,16.46 39.69,17.61 37.41,20.02 34.1,23.32 33.34,23.32 33.09,23.07 29.28,23.07 29.15,23.19 29.15,23.83 31.06,25.73 37.15,25.73 38.29,24.59 38.29,21.67 42.74,17.22 42.74,8.46 44.39,6.81 52.39,6.81 53.03,6.17 53.03,4.14 52.52,3.63 37.15,3.63
P3V3 on L3PWR (solid shape): 75.86,0.64 22.84,0.64 22.84,1.6 22.83,1.66 22.83,1.77 22.81,1.89 22.78,2 22.75,2.12 22.71,2.23 22.66,2.33 22.61,2.43 22.54,2.53 22.47,2.63 22.4,2.71 22.31,2.8 22.23,2.87 22.13,2.94 22.03,3.01 21.93,3.06 21.83,3.11 21.72,3.15 21.6,3.18 21.49,3.21 21.37,3.23 21.26,3.23 21.2,3.24 12.14,3.24 12.14,3.7 12.13,3.76 12.13,3.87 12.11,3.99 12.08,4.1 12.05,4.22 12.01,4.33 11.96,4.43 11.91,4.53 11.84,4.63 11.77,4.73 11.7,4.81 11.61,4.9 11.53,4.97 11.43,5.04 11.33,5.11 11.23,5.16 11.13,5.21 11.02,5.25 10.9,5.28 10.79,5.31 10.67,5.33 10.56,5.33 10.5,5.34 0.64,5.34 0.64,12 0.63,25.1 0.64,26.11 27.75,26.11 27.75,22.43 28.26,21.92 34.79,21.92 37.05,19.67 37.36,19.34 37.49,19.2 39.21,17.38 39.32,16.43 39.32,15.46 39.53,15.17 39.73,15.1 39.74,15.08 39.75,15.06 39.71,15 39.67,14.95 39.63,14.89 39.61,14.82 39.59,14.76 39.58,14.69 39.57,14.62 39.58,14.55 39.59,14.48 39.61,14.42 39.63,14.35 39.67,14.29 39.71,14.24 39.75,14.19 39.75,14.17 39.74,14.15 39.73,14.13 39.71,14.12 39.54,14.16 39.27,14.08 38.68,13.49 38.68,11.21 37.96,10.49 34.82,10.49 34.18,11.12 32.63,11.12 32.08,10.57 32.08,8 36.94,3.13 41,3.13 41.03,3.14 41.1,3.14 41.17,3.16 41.24,3.19 41.3,3.22 41.35,3.26 41.4,3.31 41.45,3.36 41.48,3.42 41.52,3.48 41.54,3.48 41.56,3.48 41.58,3.48 41.61,3.42 41.65,3.36 41.69,3.31 41.74,3.26 41.8,3.22 41.86,3.19 41.93,3.16 41.99,3.14 42.06,3.14 42.1,3.13 52.73,3.13 53.53,3.94 53.53,6.38 52.6,7.31 48.47,7.31 48.35,7.25 48.33,7.25 48.21,7.31 47.17,7.31 46.91,7.31 45.9,7.31 45.74,7.22 45.58,7.31 44.61,7.31 44.45,7.19 44.42,7.19 44.41,7.2 44.39,7.21 44.39,7.28 44.39,7.35 44.37,7.41 44.36,7.48 44.33,7.54 44.29,7.6 44.25,7.66 44.23,7.68 43.24,8.67 43.24,16.59 43.25,16.59 43.25,17.86 46.68,21.29 49.34,21.29 52.01,18.62 52.01,13.54 56.33,9.22 60.01,9.22 61.92,7.32 64.96,7.32 65.98,8.33 65.98,45.29 65.22,46.05 49.85,46.05 49.34,46.56 46.3,46.56 46.04,46.81 46.04,47.96 46.68,48.59 46.68,49.74 45.66,50.75 44.52,50.75 42.61,48.85 42.61,43.26 44.9,40.97 48.96,40.97 49.47,41.48 49.47,42.62 50.23,43.39 50.99,43.39 51.88,42.5 51.88,40.47 39.06,27.64 29.28,27.64 27.75,26.11 0.64,26.11 0.64,42.1 0.63,42.11 0.64,65.06 26.1,65.06 26.16,65.07 26.27,65.07 26.39,65.09 26.5,65.12 26.62,65.15 26.73,65.19 26.83,65.24 26.93,65.29 27.03,65.36 27.13,65.43 27.21,65.5 27.3,65.59 27.37,65.67 27.44,65.77 27.51,65.87 27.56,65.97 27.61,66.07 27.65,66.18 27.68,66.3 27.71,66.41 27.73,66.53 27.73,66.64 27.74,66.7 27.74,68.36 75.86,68.36
CVCC on L3PWR: 62.04,7.57 64.84,7.57 65.73,8.46 65.73,45.16 65.09,45.8 49.98,45.8 49.85,45.67 49.72,45.67 49.09,46.31 46.04,46.31 45.79,46.56 45.79,48.09 46.42,48.72 46.42,49.61 45.53,50.5 44.64,50.5 42.87,48.72 42.87,43.39 45.03,41.23 48.84,41.23 49.22,41.61 49.22,42.75 50.11,43.64 51.12,43.64 52.14,42.62 52.14,40.34 39.18,27.38 29.53,27.38 28.01,25.86 28.01,22.68 28.52,22.18 34.36,22.18 34.48,22.3 34.48,22.81 34.1,23.19 33.47,23.19 33.21,22.94 29.15,22.94 29.02,23.07 29.02,23.95 30.93,25.86 37.28,25.86 38.42,24.72 38.42,21.8 40.45,19.76 44.64,19.76 46.55,21.67 49.72,21.67 52.39,19 52.39,13.67 56.46,9.6 60.01,9.6
GND on L3PWR (solid shape): 47.34,34.57 47.08,34.05 46.88,33.98 46.83,33.76 46.34,33.46 46.59,33.98 46.79,34.05 46.84,34.26
GND on L3PWR (solid shape): 48.62,33.06 49.13,32.78 49.19,32.56 49.4,32.5 49.68,32 49.18,32.28 49.12,32.49 48.9,32.55
GND on L3PWR (solid shape): 58.49,14.83 58.07,14.43 57.84,14.43 57.72,14.23 57.17,14.06 57.58,14.47 57.82,14.47 57.93,14.67
GND on L3PWR (solid shape): 46.13,45.46 45.95,44.91 45.75,44.81 45.74,44.59 45.48,44.16 45.18,44.56 45.15,44.78 44.94,44.87 44.71,45.4 45.18,45.06 45.22,44.84 45.43,44.76 45.47,44.76 45.67,44.86 45.69,45.08

Small or netless copper shapes (teardrops, artwork), in the pictures only: 10 on L3PWR

## Text on the board
Ref Des/Silkscreen Bottom: EDA-02319-V3 | TTC_FMC
DISPLAY_TOP: 4
PAGE_OUTLINE: GROUND PLANE | 3
User.45: Figure | Dia. | 0.30 | 0.40 | 0.70 | 0.80 | 0.85 | 0.95 | 1.00 | 1.05 | 2.50 | 2.70 | 1.30 | 1.40 | Metric Drill Legend TOP to BOTTOM | Drill sizes are considered finished. | ALL UNITS ARE IN MILLIMETERS | Tol. | +0.05/-0.05 | TYPE | PLATED | NON-PLATED | QTY | 169 | 175 | 4 | 12 | 1 | 9 | 21 | 6 | 10 | 2 | 417 | TOTAL HOLES:
